# KiCad board OpenMowerMainboard.kicad_pcb (continued)
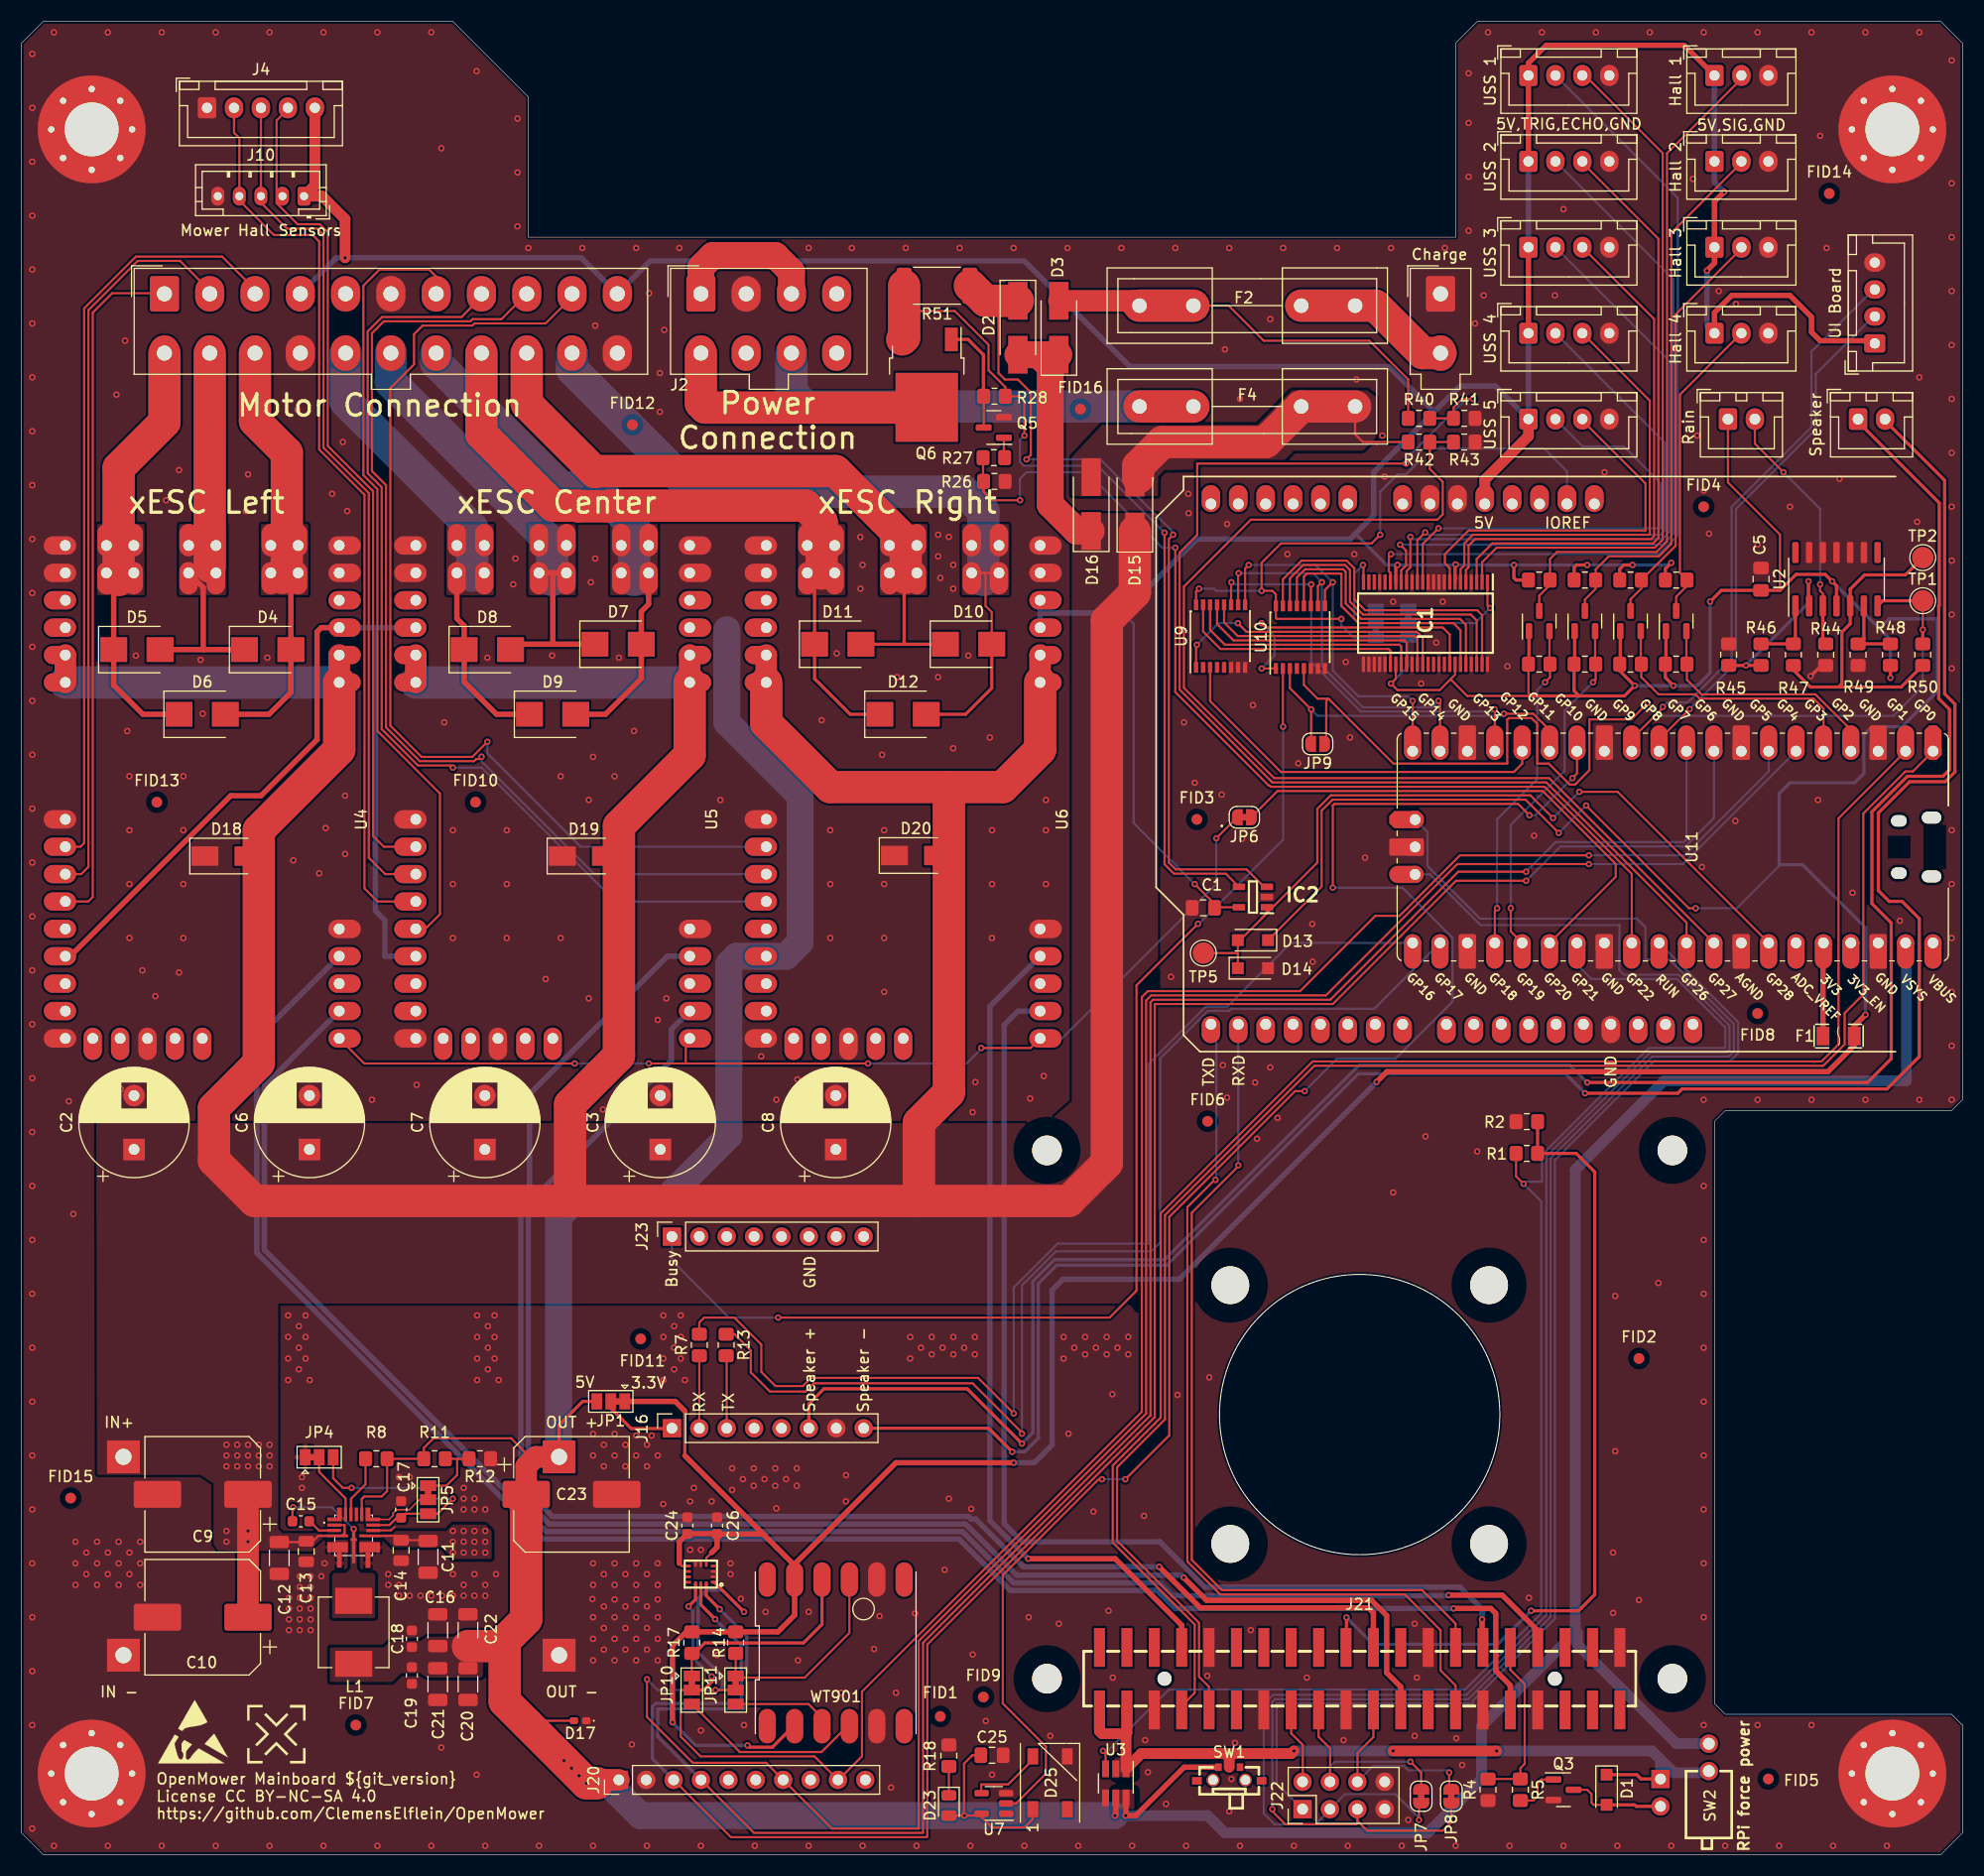
[diagram p0: board, top side]
## Library data of the parts (continued)
R49 = -: Digikey: 311-4.70KCRCT-ND; LCSC: C60816; Part Number: RC0805FR-074K7L; Stock_PN: R-805-4.7K-.125W-1%; ki_fp_filters: R_*
R51 = -: Digikey: RHM.003AUCT-ND; LCSC: C509733; Part Number: PMR100HZPFV3L00; Stock_PN: R-2512-.003-2W-1%; ki_fp_filters: R_*
SW1 = -: Datasheet: https://lcsc.com/product-detail/Toggle-Switches_G-Switch-MK-11C04-G013_C778185.html; JLC Part: Extended Part; LCSC: C778185; LCSC Part: C778185; Manufacturer: G-Switch
SW2 = -: Datasheet: https://lcsc.com/product-detail/DIP-Switches_blue1PINswitch_C129030.html; JLC Part: Extended Part; LCSC Part: C129030; Manufacturer: 韩国韩荣
TP1 TP2 TP5 = -: Config: do not place; DNP: Y; ki_fp_filters: Pin* Test*
U1 = -: Config: bench_test; DNP: Y; Digikey: LM2596SX-5.0/NOPBCT-ND; Part Number: LM2596SX-5.0/NOPB; Stock_PN: U-LM2596SX-5.0
U2 = -: Datasheet: http://ww1.microchip.com/downloads/en/DeviceDoc/21314g.pdf; Digikey: MCP604T-E/SLCT-ND; Part Number: MCP604T-E/SL; Stock_PN: U-MCP604T-E/SL; ki_fp_filters: SOIC*3.9x8.7mm*P1.27mm* DIP*W7.62mm* TSSOP*4.4x5mm*P0.65mm* SSOP*5.3x6.2mm*P0.65mm* MSOP*3x3mm*P0.5mm*
U3 = -: Digikey: SIP32509DT-T1-GE3CT-ND; LCSC: C335619; Part Number: SIP32509DT-T1-GE3; Stock_PN: U-SIP32509
U4-U6 XA1 = -: Config: do not place; DNP: Y
U7 = -: Datasheet: https://www.ti.com/lit/ds/symlink/sn74lv1t34.pdf; Digikey: 296-SN74LV1T34DBVRG4CT-ND; LCSC: C1848228; Part Number: SN74LV1T34DBVRG4; Stock_PN: U-SN74LV1T34; ki_fp_filters: SOT?23*
U9 U10 = -: Datasheet: http://www.ti.com/lit/ds/symlink/cd74hc4051.pdf; Digikey: 1727-3064-1-ND; LCSC: C5645; Part Number: 74HC4051PW,118; Stock_PN: U-74HC4051; ki_fp_filters: DIP*W7.62mm* SOIC*3.9x9.9mm*P1.27mm* SOIC*5.3x10.2mm*P1.27mm* TSSOP*4.4x5mm*P0.65mm*
U11 = -: Datasheet: https://datasheets.raspberrypi.com/picow/pico-w-datasheet.pdf; Digikey: 2648-SC0915CT-ND; Part Number: SC0915; Stock_PN: U-RP2040-PCB; ki_fp_filters: Raspberry*Pico* RPi*Pico*
WT901 = -: Config: do not place; ki_fp_filters: Connector*:*_2x??_*

## Footprints (pads in the part's own frame, mm; a bottom-side part is the same pattern mirrored in y, then rotated)
Arduino_Uno_Shield
  oval 1.727x2.5 hole 1.016: (27.94,2.54) 3V3(35.56,2.54) 5V1(38.1,2.54) A0(50.8,2.54) A1(53.34,2.54) A2(55.88,2.54) A3(58.42,2.54) A4(60.96,2.54) A5(63.5,2.54) AREF(23.876,50.8) D0(63.5,50.8) D1(60.96,50.8) D2(58.42,50.8) D3(55.88,50.8) D4(53.34,50.8) D5(50.8,50.8) D6(48.26,50.8) D7(45.72,50.8) D8(41.656,50.8) D9(39.116,50.8) D10(36.576,50.8) D11(34.036,50.8) D12(31.496,50.8) D13(28.956,50.8) GND1(26.416,50.8) GND2(40.64,2.54) GND3(43.18,2.54) IORF(30.48,2.54) RST1(33.02,2.54) SCL(18.796,50.8) SDA(21.336,50.8) VIN(45.72,2.54)
C_0603_1608Metric
  rrect 0.9x0.95 smd: 1(-0.775,0) 2(0.775,0)
C_0805_2012Metric
  rrect 1x1.45 smd: 1(-0.95,0) 2(0.95,0)
C_0805_2012Metric_Pad1.18x1.45mm_HandSolder
  rrect 1.175x1.45 smd: 1(-1.038,0) 2(1.038,0)
C_1206_3216Metric
  rrect 1.15x1.8 smd: 1(-1.475,0) 2(1.475,0)
CP_Elec_10x12.5
  rrect 4.4x2.5 smd: 1(-4.2,0) 2(4.2,0)
CP_Radial_D10.0mm_P5.00mm
  rect 2x2 hole 1: 1(0,0)
  round 2 hole 1: 2(5,0)
D_0402_1005Metric_Pad0.77x0.64mm_HandSolder
  rrect 0.765x0.64 smd: 1(-0.573,0) 2(0.573,0)
D_SMA
  rect 2.5x1.8 smd: 1(-2,0) 2(2,0)
D_SMA_Handsoldering
  rect 3.5x1.8 smd: 1(-2.5,0) 2(2.5,0)
D_SMB
  rect 2.5x2.3 smd: 1(-2.15,0) 2(2.15,0)
D_SOD-123F
  rect 1.1x1.1 smd: 1(-1.4,0) 2(1.4,0)
F1206
  rect 1.19x1.73 smd: 1(-1.45,0) 2(1.45,0)
Fiducial_1mm_Mask2mm
  round 1 smd: (0,0)
Fuseholder5x20_horiz_open_inline_Type-I
  round 2.35 hole 1.35: 1(0,0) 1(5,0) 2(15,0) 2(20,0)
HDR-SMD_40P-P2.54-V-F-R2-C20-S8.8-EH
  round 1.3 hole 1.3 unplated: (-18.1,0) (18.1,0)
  rect 1.02x3.6 smd: 1(-24.13,2.9) 2(-24.13,-2.9) 3(-21.59,2.9) 4(-21.59,-2.9) 5(-19.05,2.9) 6(-19.05,-2.9) 7(-16.51,2.9) 8(-16.51,-2.9) 9(-13.97,2.9) 10(-13.97,-2.9) 11(-11.43,2.9) 12(-11.43,-2.9) 13(-8.89,2.9) 14(-8.89,-2.9) 15(-6.35,2.9) 16(-6.35,-2.9) 17(-3.81,2.9) 18(-3.81,-2.9) 19(-1.27,2.9) 20(-1.27,-2.9) 21(1.27,2.9) 22(1.27,-2.9) 23(3.81,2.9) 24(3.81,-2.9) 25(6.35,2.9) 26(6.35,-2.9) 27(8.89,2.9) 28(8.89,-2.9) 29(11.43,2.9) 30(11.43,-2.9) 31(13.97,2.9) 32(13.97,-2.9) 33(16.51,2.9) 34(16.51,-2.9) 35(19.05,2.9) 36(19.05,-2.9) 37(21.59,2.9) 38(21.59,-2.9) 39(24.13,2.9) 40(24.13,-2.9)
JST_PH_B5B-PH-K_1x05_P2.00mm_Vertical
  rrect 1.2x1.75 hole 0.75: 1(0,0)
  oval 1.2x1.75 hole 0.75: 2(2,0) 3(4,0) 4(6,0) 5(8,0)
JST_XH_B2B-XH-A_1x02_P2.50mm_Vertical
  rrect 1.7x2 hole 1: 1(0,0)
  oval 1.7x2 hole 1: 2(2.5,0)
JST_XH_B3B-XH-A_1x03_P2.50mm_Vertical
  rrect 1.7x1.95 hole 0.95: 1(0,0)
  oval 1.7x1.95 hole 0.95: 2(2.5,0) 3(5,0)
JST_XH_B4B-XH-A_1x04_P2.50mm_Vertical
  rrect 1.7x1.95 hole 0.95: 1(0,0)
  oval 1.7x1.95 hole 0.95: 2(2.5,0) 3(5,0) 4(7.5,0)
JST_XH_B5B-XH-A_1x05_P2.50mm_Vertical
  rrect 1.7x1.95 hole 0.95: 1(0,0)
  oval 1.7x1.95 hole 0.95: 2(2.5,0) 3(5,0) 4(7.5,0) 5(10,0)
L_Vishay_IHLP-2525
  rect 2.413x3.429 smd: 1(-2.921,0) 2(2.921,0)
LED_0805_2012Metric
  rrect 0.975x1.4 smd: 1(-0.938,0) 2(0.938,0)
LED_WS2812B_PLCC4_5.0x5.0mm_P3.2mm
  rect 1.5x1 smd: 1(-2.45,1.6) 2(-2.45,-1.6) 3(2.45,-1.6) 4(2.45,1.6)
LGA-14_2.5X3X0.86_
  rect 0.475x0.25 smd: 1(-1.163,0.75) 2(-1.163,0.25) 3(-1.163,-0.25) 4(-1.163,-0.75) 8(1.163,-0.75) 9(1.163,-0.25) 10(1.163,0.25) 11(1.163,0.75)
  rect 0.25x0.475 smd: 5(-0.5,-0.912) 6(0,-0.912) 7(0.5,-0.912) 12(0.5,0.912) 13(0,0.912) 14(-0.5,0.912)
LM2596S_MODULE
  rect 3.048x3.048 hole 1.5: 1(1.4,1.4) 2(1.4,19.8) 3(41.8,19.8) 4(41.8,1.4)
MAX2040
  rect 0.412x0.3 smd: 1(-2.244,0.95) 2(-2.244,0.45) 10(2.244,0.45) 11(2.244,0.95)
  rect 0.875x0.3 smd: 1(-1.612,0.95) 2(-1.612,0.45) 10(1.612,0.45) 11(1.612,0.95)
  rect 0.401x0.25 smd: 3(-2.25,-0.05) 9(2.25,-0.05)
  rect 1.525x0.25 smd: 3(-1.287,-0.05) 9(1.287,-0.05)
  rect 0.401x0.95 smd: 4(-2.25,-1.1) 8(2.25,-1.1)
  rect 1.525x0.95 smd: 4(-1.287,-1.1) 8(1.287,-1.1)
  rect 0.45x0.6 smd: 5(-1.325,-1.875) 7(1.325,-1.875)
  rect 0.45x0.825 smd: 5(-1.325,-2.587)
  rect 0.3x1.65 smd: 6(0,-1.35)
  rect 0.3x0.425 smd: 6(0,-2.388)
  rect 0.45x0.85 smd: 7(1.325,-2.6)
  rect 0.45x0.412 smd: 12(1.325,2.369) 17(-1.325,2.369)
  rect 0.45x0.875 smd: 12(1.325,1.737) 17(-1.325,1.737)
  rect 0.3x0.412 smd: 13(0.75,2.369) 14(0.25,2.369) 15(-0.25,2.369) 16(-0.75,2.369)
  rect 0.3x0.875 smd: 13(0.75,1.737) 14(0.25,1.737) 15(-0.25,1.737) 16(-0.75,1.737)
  rect 0.4x0.35 smd: 18(-2.25,1.475) 20(2.25,1.475)
  rect 0.5x0.35 smd: 18(-1.8,1.475) 20(1.8,1.475)
  rect 0.6x0.25 smd: 19(0,-0.4)
Molex_Mini-Fit_Jr_5566-02A_2x01_P4.20mm_Vertical
  rrect 2.7x3.3 hole 1.4: 1(0,0)
  oval 2.7x3.3 hole 1.4: 2(0,-5.5)
Molex_Mini-Fit_Jr_5566-08A_2x04_P4.20mm_Vertical
  rrect 2.7x3.3 hole 1.4: 1(0,0)
  oval 2.7x3.3 hole 1.4: 2(4.2,0) 3(8.4,0) 4(12.6,0) 5(0,-5.5) 6(4.2,-5.5) 7(8.4,-5.5) 8(12.6,-5.5)
Molex_Mini-Fit_Jr_5566-22A_2x11_P4.20mm_Vertical
  rrect 2.7x3.3 hole 1.4: 1(0,0)
  oval 2.7x3.3 hole 1.4: 2(4.2,0) 3(8.4,0) 4(12.6,0) 5(16.8,0) 6(21,0) 7(25.2,0) 8(29.4,0) 9(33.6,0) 10(37.8,0) 11(42,0) 12(0,-5.5) 13(4.2,-5.5) 14(8.4,-5.5) 15(12.6,-5.5) 16(16.8,-5.5) 17(21,-5.5) 18(25.2,-5.5) 19(29.4,-5.5) 20(33.6,-5.5) 21(37.8,-5.5) 22(42,-5.5)
MountingHole_2.7mm_M2.5
  round 3.5 hole 3.5 unplated: (0,0)
MountingHole_2.7mm_M2.5#2
  round 2.75 hole 2.75 unplated: (0,0)
MountingHole_5mm_Pad_Via
  round 0.9 hole 0.6: 1(-3.75,0) 1(-2.652,2.652) 1(-2.652,-2.652) 1(0,3.75) 1(0,-3.75) 1(2.652,2.652) 1(2.652,-2.652) 1(3.75,0)
  round 10 hole 5: 1(0,0)
PinHeader_1x02_P2.54mm_Vertical
  rect 1.7x1.7 hole 1: 1(0,0)
  oval 1.7x1.7 hole 1: 2(0,-2.54)
PinHeader_1x10_P2.54mm_Vertical
  rect 1.7x1.7 hole 1: 1(0,0)
  oval 1.7x1.7 hole 1: 2(0,-2.54) 3(0,-5.08) 4(0,-7.62) 5(0,-10.16) 6(0,-12.7) 7(0,-15.24) 8(0,-17.78) 9(0,-20.32) 10(0,-22.86)
PinHeader_2x04_P2.54mm_Vertical
  rect 1.7x1.7 hole 1: 1(0,0)
  oval 1.7x1.7 hole 1: 2(2.54,0) 3(0,-2.54) 4(2.54,-2.54) 5(0,-5.08) 6(2.54,-5.08) 7(0,-7.62) 8(2.54,-7.62)
PinSocket_1x08_P2.54mm_Vertical
  rect 1.7x1.7 hole 1: 1(0,0)
  oval 1.7x1.7 hole 1: 2(0,-2.54) 3(0,-5.08) 4(0,-7.62) 5(0,-10.16) 6(0,-12.7) 7(0,-15.24) 8(0,-17.78)
R_0805_2012Metric_Pad1.20x1.40mm_HandSolder
  rrect 1.2x1.4 smd: 1(-1,0) 2(1,0)
R_2512_6332Metric_Pad1.40x3.35mm_HandSolder
  rrect 1.4x3.35 smd: 1(-3.05,0) 2(3.05,0)
Raspberry_Pi_Pico_SMT_THT
  oval 1.1x1.8 hole 1.1x1.8 unplated: (6.165,-0.13) (11.615,-0.13)
  oval 1.05x1.45 hole 1.05x1.45 unplated: (6.465,-3.16) (11.315,-3.16)
  custom 3.2x1.6 smd: 1(-1.6,0)
  custom 1.6x1.6 hole 1: 1(0,0) 41(6.35,-48.03)
  oval 3.2x1.6 smd: 2(-1.6,-2.54) 4(-1.6,-7.62) 5(-1.6,-10.16) 6(-1.6,-12.7) 7(-1.6,-15.24) 9(-1.6,-20.32) 10(-1.6,-22.86) 11(-1.6,-25.4) 12(-1.6,-27.94) 14(-1.6,-33.02) 15(-1.6,-35.56) 16(-1.6,-38.1) 17(-1.6,-40.64) 19(-1.6,-45.72) 20(-1.6,-48.26) 21(19.38,-48.26) 22(19.38,-45.72) 24(19.38,-40.64) 25(19.38,-38.1) 26(19.38,-35.56) 27(19.38,-33.02) 29(19.38,-27.94) 30(19.38,-25.4) 31(19.38,-22.86) 32(19.38,-20.32) 34(19.38,-15.24) 35(19.38,-12.7) 36(19.38,-10.16) 37(19.38,-7.62) 39(19.38,-2.54) 40(19.38,0)
  round 1.6 hole 1: 2(0,-2.54) 4(0,-7.62) 5(0,-10.16) 6(0,-12.7) 7(0,-15.24) 9(0,-20.32) 10(0,-22.86) 11(0,-25.4) 12(0,-27.94) 14(0,-33.02) 15(0,-35.56) 16(0,-38.1) 17(0,-40.64) 19(0,-45.72) 20(0,-48.26) 21(17.78,-48.26) 22(17.78,-45.72) 24(17.78,-40.64) 25(17.78,-38.1) 26(17.78,-35.56) 27(17.78,-33.02) 29(17.78,-27.94) 30(17.78,-25.4) 31(17.78,-22.86) 32(17.78,-20.32) 34(17.78,-15.24) 35(17.78,-12.7) 36(17.78,-10.16) 37(17.78,-7.62) 39(17.78,-2.54) 40(17.78,0) 43(11.43,-48.03)
  rrect 3.2x1.6 smd: 3(-1.6,-5.08) 8(-1.6,-17.78) 13(-1.6,-30.48) 18(-1.6,-43.18) 23(19.38,-43.18) 28(19.38,-30.48) 33(19.38,-17.78) 38(19.38,-5.08)
  rrect 1.6x1.6 hole 1: 3(0,-5.08) 8(0,-17.78) 13(0,-30.48) 18(0,-43.18) 23(17.78,-43.18) 28(17.78,-30.48) 33(17.78,-17.78) 38(17.78,-5.08) 42(8.89,-48.03)
  custom 1.6x3.2 smd: 41(6.35,-49.63)
  rrect 1.6x3.2 smd: 42(8.89,-49.63)
  oval 1.6x3.2 smd: 43(11.43,-49.63)
SOIC-14_3.9x8.7mm_P1.27mm
  rrect 1.95x0.6 smd: 1(-2.475,3.81) 2(-2.475,2.54) 3(-2.475,1.27) 4(-2.475,0) 5(-2.475,-1.27) 6(-2.475,-2.54) 7(-2.475,-3.81) 8(2.475,-3.81) 9(2.475,-2.54) 10(2.475,-1.27) 11(2.475,0) 12(2.475,1.27) 13(2.475,2.54) 14(2.475,3.81)
SolderJumper-2_P1.3mm_Bridged_RoundedPad1.0x1.5mm
  custom 1x1.5 smd: 1(-0.65,0) 2(0.65,0)
SolderJumper-2_P1.3mm_Open_RoundedPad1.0x1.5mm
  custom 1x1.5 smd: 1(-0.65,0) 2(0.65,0)
SolderJumper-3_P1.3mm_Bridged12_Pad1.0x1.5mm
  rect 1x1.5 smd: 1(-1.3,0) 2(0,0) 3(1.3,0)
SOP50P810X120-48N
  rect 1.425x0.3 smd: 1(-3.812,5.75) 2(-3.812,5.25) 3(-3.812,4.75) 4(-3.812,4.25) 5(-3.812,3.75) 6(-3.812,3.25) 7(-3.812,2.75) 8(-3.812,2.25) 9(-3.812,1.75) 10(-3.812,1.25) 11(-3.812,0.75) 12(-3.812,0.25) 13(-3.812,-0.25) 14(-3.812,-0.75) 15(-3.812,-1.25) 16(-3.812,-1.75) 17(-3.812,-2.25) 18(-3.812,-2.75) 19(-3.812,-3.25) 20(-3.812,-3.75) 21(-3.812,-4.25) 22(-3.812,-4.75) 23(-3.812,-5.25) 24(-3.812,-5.75) 25(3.812,-5.75) 26(3.812,-5.25) 27(3.812,-4.75) 28(3.812,-4.25) 29(3.812,-3.75) 30(3.812,-3.25) 31(3.812,-2.75) 32(3.812,-2.25) 33(3.812,-1.75) 34(3.812,-1.25) 35(3.812,-0.75) 36(3.812,-0.25) 37(3.812,0.25) 38(3.812,0.75) 39(3.812,1.25) 40(3.812,1.75) 41(3.812,2.25) 42(3.812,2.75) 43(3.812,3.25) 44(3.812,3.75) 45(3.812,4.25) 46(3.812,4.75) 47(3.812,5.25) 48(3.812,5.75)
SOT95P280X145-5N
  rect 1.15x0.6 smd: 1(-1.3,0.95) 2(-1.3,0) 3(-1.3,-0.95) 4(1.3,-0.95) 5(1.3,0.95)
SOT-23
  rrect 1.475x0.6 smd: 1(-0.938,0.95) 2(-0.938,-0.95) 3(0.938,0)
SOT-23-5
  rrect 1.325x0.6 smd: 1(-1.137,0.95) 2(-1.137,0) 3(-1.137,-0.95) 4(1.137,-0.95) 5(1.137,0.95)
SOT-23-6_Handsoldering
  rect 1.56x0.65 smd: 1(-1.35,0.95) 2(-1.35,0) 3(-1.35,-0.95) 4(1.35,-0.95) 5(1.35,0) 6(1.35,0.95)
SSOP-16_4.4x5.2mm_P0.65mm
  rect 1x0.4 smd: 1(-2.9,2.275) 2(-2.9,1.625) 3(-2.9,0.975) 4(-2.9,0.325) 5(-2.9,-0.325) 6(-2.9,-0.975) 7(-2.9,-1.625) 8(-2.9,-2.275) 9(2.9,-2.275) 10(2.9,-1.625) 11(2.9,-0.975) 12(2.9,-0.325) 13(2.9,0.325) 14(2.9,0.975) 15(2.9,1.625) 16(2.9,2.275)
SW-SMD_MK-11C04-G013
  round 1.2 hole 0.9: (-1.5,-0.56) (1.5,-0.56)
  rect 0.6x0.7 smd: 1(-1,0.63) 2(1,0.63) C(0,0.63)
  rect 0.9x0.7 smd: 4(3,-0.63) 5(-3,-0.63)
SW-TH_DA-01BP
  round 1.7 hole 1.1: 1(-1.27,0) 2(1.27,0)
TestPoint_Pad_D2.0mm
  round 2 smd: 1(0,0)
TO-252-2
  rect 3.05x2.75 smd: (0.425,1.525) (0.425,-1.525) (3.775,1.525) (3.775,-1.525)
  rect 2.2x1.2 smd: 1(-4.2,2.28) 3(-4.2,-2.28)
  rect 6.4x5.8 smd: 2(2.1,0)
WT901
  oval 1.6x3.2 smd: a1(-6.35,-6) a2(-3.81,-6) a3(-1.27,-6) a4(1.27,-6) a5(3.81,-6) a6(6.35,-6) b1(-6.35,6) b2(-3.81,6) b3(-1.27,6) b4(1.27,6) b5(3.81,6) b6(6.35,6)
xESC2
  oval 1.7x3 hole 1: 1(-17.775,27.94) 2(-15.235,27.94) 3(-10.155,27.94) 4(-7.615,27.94) 5(-5.075,27.94) 5V(-12.695,27.94) 5V(17.785,27.94) 5V(17.785,2.54) 5V(20.325,27.94) 5V(20.325,2.54) 6(-2.535,27.94) 11(-20.315,2.54) 12(-17.775,2.54) 13(-15.235,2.54) 14(-12.695,2.54) GND(-20.315,27.94) GND(-10.155,2.54) GND(0.005,27.94) GND(22.865,27.94) GND(22.865,2.54) GND(25.405,27.94) GND(25.405,2.54) VM(12.705,27.94) VM(12.705,2.54) VM(15.245,27.94) VM(15.245,2.54)
  oval 3x1.7 hole 1: 7(-20.315,25.4) 8(-20.315,22.86) 9(-20.315,17.78) 10(-20.315,15.24) GND(-20.315,20.32) U(22.865,8.89) U(22.865,6.35) U(25.405,8.89) U(25.405,6.35) V(22.865,16.51) V(22.865,13.97) V(25.405,16.51) V(25.405,13.97) W(22.865,24.13) W(22.865,21.59) W(25.405,24.13) W(25.405,21.59)

## Nets
+3V3: AC1201.5 AC1201.8 C5.2 C24.1 C26.1 D13.1 F1.2 IC1.31 IC1.42 J17.1 JP1.1 JP2.3 JP3.1 Q13.1 Q14.1 Q15.1 Q16.1 R3.1 R9.1 R14.2 R15.1 R17.2 R19.1 R48.2 U2.4 U9.16 U10.16 WT901.a2 WT901.b2 XA1.IORF
+5V: C1.1 C16.1 C18.1 C19.1 C20.1 C21.1 C22.1 C23.1 C25.1 D17.2 D23.2 D25.1 IC1.7 IC1.18 IC2.5 IC3.13 J1.4 J1.11 J4.5 J5.1 J6.1 J7.1 J8.1 J9.1 J10.1 J11.1 J12.1 J13.1 J14.1 J19.1 J20.1 JP1.3 L1.2 R6.1 R8.2 R10.1 R11.2 R16.1 R20.1 SW1.1 SW2.2 U1.3 U3.5 U3.6 U4.5V U5.5V U6.5V U7.5 U11.39 XA1.5V1
GND: AC1201.2 AC1201.3 AC1201.6 AC1201.7 C1.2 C2.2 C3.2 C5.1 C6.2 C7.2 C8.2 C9.2 C10.2 C11.2 C12.2 C13.2 C14.2 C16.2 C17.2 C18.2 C19.2 C20.2 C21.2 C22.2 C23.2 C24.2 C25.2 C26.2 D14.2 D17.1 D18.1 D19.1 D20.1 D25.3 H1.1 H2.1 H3.1 H4.1 IC1.4 IC1.9 IC1.10 IC1.11 IC1.12 IC1.15 IC1.21 IC1.25 IC1.26 IC1.27 IC1.28 IC1.29 IC1.34 IC1.39 IC1.45 IC1.48 IC2.2 IC3.4 IC3.5 IC3.7 IC3.8 IC3.10 J1.6 J1.15 J1.22 J2.2 J3.1 J4.1 J5.4 J6.4 J7.4 J8.4 J9.4 J10.5 J11.3 J12.3 J13.3 J14.3 J16.7 J19.4 J20.2 J21.6 J21.9 J21.14 J21.20 J21.25 J21.30 J21.34 J21.39 J22.7 J22.8 J23.6 JP2.1 JP3.3 JP4.1 Q3.2 Q5.2 R2.1 R4.1 R12.1 R18.1 R26.2 R41.1 R43.1 R44.1 R45.1 R49.2 U1.1 U1.4 U2.9 U2.10 U2.11 U2.12 U2.13 U3.4 U4.GND U5.GND U6.GND U7.3 U9.6 U9.7 U9.8 U10.6 U10.7 U10.8 U11.3 U11.8 U11.13 U11.18 U11.23 U11.28 U11.33 U11.38 U11.42 WT901.a5 WT901.b5 XA1.GND1 XA1.GND2 XA1.GND3
/CHARGE_CURRENT: D13.2 D14.1 IC2.1 TP5.1 U11.34
/ESCs/ESC_SHUTDOWN: JP6.1 U11.26
/ESCs/MC_HALL_U: J4.2 J10.4 U5.4
/ESCs/MC_HALL_V: J4.3 J10.3 U5.5
/ESCs/MC_HALL_W: J4.4 J10.2 U5.6
/ESCs/MC_PHASE_U: D7.2 D9.2 J1.18 U5.U
/ESCs/MC_PHASE_V: D7.1 D8.2 J1.17 U5.V
/ESCs/MC_PHASE_W: D8.1 D9.1 J1.16 U5.W
/ESCs/MC_RX: J21.24 U5.14
/ESCs/MC_TEMP: J1.7 U5.3
/ESCs/MC_TX: J21.21 U5.12
/ESCs/ML_HALL_U: J1.1 U4.4
/ESCs/ML_HALL_V: J1.2 U4.5
/ESCs/ML_HALL_W: J1.3 U4.6
/ESCs/ML_PHASE_U: D4.2 D6.2 J1.14 U4.U
/ESCs/ML_PHASE_V: D4.1 D5.2 J1.13 U4.V
/ESCs/ML_PHASE_W: D5.1 D6.1 J1.12 U4.W
/ESCs/ML_RX: J21.32 U4.14
/ESCs/ML_TX: J21.33 U4.12
/ESCs/MR_HALL_U: J1.8 U6.4
/ESCs/MR_HALL_V: J1.9 U6.5
/ESCs/MR_HALL_W: J1.10 U6.6
/ESCs/MR_PHASE_U: D10.2 D12.2 J1.21 U6.U
/ESCs/MR_PHASE_V: D10.1 D11.2 J1.20 U6.V
/ESCs/MR_PHASE_W: D11.1 D12.1 J1.19 U6.W
/ESCs/MR_RX: J21.7 U6.14
/ESCs/MR_TX: J21.29 U6.12
/GPS/RXD: J21.27 XA1.D1
/GPS/TXD: J21.28 XA1.D0
/IMU/MISO: AC1201.1 J20.7 JP11.2 U11.6
/IMU/MOSI: AC1201.14 J20.4 U11.10
/IMU/SCK: AC1201.13 J20.3 U11.9
/IMU/~{CS}: AC1201.12 J20.9 JP10.2 U11.7
/pico/MUX_ADDRESS_0: U9.11 U10.11 U11.17
/pico/MUX_ADDRESS_1: U9.10 U10.10 U11.19
/pico/MUX_ADDRESS_2: U9.9 U10.9 U11.20
/pico/MUX_INPUT: JP9.2 U10.3 U11.15
/pico/MUX_OUTPUT: U9.3 U11.16
/pico/SOUND_BUSY: J23.1 U10.2
/pico/SOUND_RX: R13.1 U11.22
/pico/SOUND_TX: R7.2 U11.21
/pico/V_CHARGE: R40.1 R41.2 U11.31
/pico/V_IN: R42.1 R43.2 U11.32
/RAIN_DETECTED: JP9.1 R50.2 TP1.1 U2.7 U10.5
/RaspberryPi/PICO_RESET: J22.1 U11.30
/RaspberryPi/PICO_SWCLK: J22.5 JP8.1 U11.41
/RaspberryPi/PICO_SWDIO: J22.3 JP7.1 U11.43
/RaspberryPi/POWER_EN: R1.1 U3.3 U11.27
/RaspberryPi/RASPI_FAN_ON: J21.31 R4.2 R5.1
/RaspberryPi/RASPI_POWER: D1.1 J21.2 J21.4 M1.1 SW1.C SW2.1 U3.1 U3.2
/RaspberryPi/UART0_RXD: J21.10 U11.1
/RaspberryPi/UART0_TXD: J21.8 U11.2
/RobotConnectors/CHARGE_SHUNT_MINUS: IC2.4 Q6.3 R28.1 R51.2
/RobotConnectors/CHARGE_SHUNT_PLUS: D2.1 IC2.3 R51.1
/RobotConnectors/ENABLE_CHARGE: R26.1 R27.1 U11.29
/RobotConnectors/HALL_SWITCH_1: Q13.2 R3.2 U11.24
/RobotConnectors/HALL_SWITCH_1_5V: J11.2 Q13.3 R6.2
/RobotConnectors/HALL_SWITCH_2: Q14.2 R9.2 U11.25
/RobotConnectors/HALL_SWITCH_2_5V: J12.2 Q14.3 R10.2
/RobotConnectors/HALL_SWITCH_3: Q15.2 R15.2 U11.5
/RobotConnectors/HALL_SWITCH_3_5V: J13.2 Q15.3 R16.2
/RobotConnectors/HALL_SWITCH_4: Q16.2 R19.2 U11.4
/RobotConnectors/HALL_SWITCH_4_5V: J14.2 Q16.3 R20.2
/RobotConnectors/LED_RX: J19.2 U11.11
/RobotConnectors/LED_TX: J19.3 U11.12
/RobotConnectors/MosfetSwitch/VOUT: J2.5 Q6.2
/RobotConnectors/RAIN-: J17.2 R44.2 U2.3
/RobotConnectors/SPEAKER_MINUS: J16.8 J18.2
/RobotConnectors/SPEAKER_PLUS: J16.6 J18.1
/RobotConnectors/USS_1_ECHO: IC1.47 U10.15
/RobotConnectors/USS_1_ECHO_5V: IC1.2 J5.3
/RobotConnectors/USS_1_TRIGGER: IC1.30 U9.15
/RobotConnectors/USS_1_TRIGGER_5V: IC1.19 J5.2
/RobotConnectors/USS_2_ECHO: IC1.46 U10.14
/RobotConnectors/USS_2_ECHO_5V: IC1.3 J6.3
/RobotConnectors/USS_2_TRIGGER: IC1.32 U9.14
/RobotConnectors/USS_2_TRIGGER_5V: IC1.17 J6.2
/RobotConnectors/USS_3_ECHO: IC1.44 U10.13
/RobotConnectors/USS_3_ECHO_5V: IC1.5 J7.3
/RobotConnectors/USS_3_TRIGGER: IC1.33 U9.13
/RobotConnectors/USS_3_TRIGGER_5V: IC1.16 J7.2
/RobotConnectors/USS_4_ECHO: IC1.43 U10.12
/RobotConnectors/USS_4_ECHO_5V: IC1.6 J8.3
/RobotConnectors/USS_4_TRIGGER: IC1.35 U9.12
/RobotConnectors/USS_4_TRIGGER_5V: IC1.14 J8.2
/RobotConnectors/USS_5_ECHO: IC1.41 U10.1
/RobotConnectors/USS_5_ECHO_5V: IC1.8 J9.3
/RobotConnectors/USS_5_TRIGGER: IC1.36 U9.1
/RobotConnectors/USS_5_TRIGGER_5V: IC1.13 J9.2
/RobotConnectors/V_BATTERY: D15.2 D16.2 F4.2 R42.2
/RobotConnectors/V_CHARGE: D3.2 F2.1 R40.2
V_BATT: C2.1 C3.1 C6.1 C7.1 C8.1 C9.1 C10.1 C11.1 C12.1 C13.1 C14.1 D2.2 D3.1 D15.1 D16.1 D18.2 D19.2 D20.2 IC3.1 IC3.3 IC3.9 U1.2 U4.VM U5.VM U6.VM
Net-(D1-A): D1.2 M1.2 Q3.3
Net-(D23-K): D23.1 R18.2
Net-(D25-DIN): D25.4 U7.4
Net-(IC1-1DIR): IC1.1 JP2.2
Net-(IC1-2DIR): IC1.24 JP3.2
Net-(IC3-BIAS): C17.1 IC3.11 JP4.3 JP5.3
Net-(IC3-BST): C15.1 IC3.2
Net-(IC3-FB_1): IC3.12 IC3.20 JP5.2
Net-(IC3-LX_1): C15.2 IC3.6 IC3.19 L1.1
Net-(IC3-PGOOD): IC3.15 R8.1
Net-(IC3-SYNC): IC3.16 JP4.2
Net-(IC3-SYNCOUT_1): IC3.17 IC3.18
Net-(J2-Pin_1): J2.1 J2.3
Net-(J2-Pin_7): F4.1 J2.7
Net-(J3-Pin_2): F2.2 J3.2
Net-(J16-Pin_1): J16.1 JP1.2
Net-(J16-Pin_2): J16.2 R7.1
Net-(J16-Pin_3): J16.3 R13.2
Net-(J21-GPIO23): J21.16 J22.2
Net-(J21-GPIO24): J21.18 J22.4 JP7.2
Net-(J21-GPIO25): J21.22 J22.6 JP8.2
Net-(J21-MOSI0/GPIO10): J21.19 R1.2 R2.2
Net-(JP5-A): JP5.1 R11.1 R12.2
Net-(JP6-B): JP6.2 U4.11 U5.11 U6.11
Net-(JP10-A): JP10.1 R17.1 WT901.b3
Net-(JP10-B): JP10.3 WT901.a4
Net-(JP11-A): JP11.1 R14.1 WT901.b4
Net-(JP11-B): JP11.3 WT901.a3
Net-(Q3-G): Q3.1 R5.2
Net-(Q5-D): Q5.3 Q6.1 R28.2
Net-(Q5-G): Q5.1 R27.2
Net-(R46-Pad1): R46.1 R47.1 U2.1
Net-(U2A--): R45.2 R46.2 U2.2
Net-(U2B-+): R47.2 R50.1 TP2.1 U2.5
Net-(U2B--): R48.1 R49.1 U2.6
Net-(U11-3V3): F1.1 U11.36
Net-(U11-GPIO10): U7.2 U11.14

Pads without a net: AC1201 4 9 10 11; D25 2; IC1 20 22 23 37 38 40; IC3 14; J1 5; J2 4 6 8; J16 4 5; J20 5 6 8 10; J21 1 3 5 11 12 13 15 17 23 26 35 36 37 38 40; J23 2 3 4 5 7 8; SW1 2 4 5; U2 8 14; U4 1 2 3 7 8 9 10 13; U5 1 2 7 8 9 10 13; U6 1 2 3 7 8 9 10 13; U7 1; U9 2 4 5; U10 4; U11 35 37 40; WT901 a1 a6 b1 b6; XA1 3V3 A0 A1 A2 A3 A4 A5 AREF D2 D3 D4 D5 D6 D7 D8 D9 D10 D11 D12 D13 RST1 SCL SDA VIN

## Via types
v1: diameter 0.6, hole 0.3, Top to Bottom, 733 vias

## Routing (per net, layer and track width the routed paths; a pad name or vN(x,y) marks a point on that pad's centre or on a via; arc(x,y) is an arc through that point)
+3V3: length 529.4
  Top w0.2: v1(145.1,97.29) 154.62,87.77 v1(155.26,87.77) ; 132.52,109 131.52,108 127.6,108 v1(127,108.6) 127.45,109.05 IC1.31 ; 132.52,109 134.07,107.45 140.02,107.45 139.75,107.72 R3.1 ; 132.52,109 132.95,109.43 IC1.42 ; 61,27 61.25,26.75 AC1201.8 ; v1(122.4,114.6) 116.4,114.6 116.32,114.67 U10.16 116.32,116.88 116,117.2 v1(115,117.2) 115,119.8 116.8,121.6 125.2,121.6 v1(126,122.4) ; AC1201.5 63.5,27.5 64,28 ; J17.1 158.25,127.25 163.08,122.42 163.08,117.24 ; 108.93,115.9 108.93,117.12 v1(109.2,117.4) ; D13.1 120.57,89.77 120.57,96.82 121.58,97.83 139.48,97.83 v1(142.56,94.75)
  Top w0.3: R19.1 152.45,109.15 v1(153.2,108.4) ; R15.1 148.22,109.78 v1(149.6,108.4) 148.65,107.45 140.02,107.45 ; Q15.1 148.27,110.45 ; R9.1 143.98,107.93 144.47,107.45 ; 70.15,20.65 R14.2 R17.2 ; Q13.1 139.8,110.45 ; Q14.1 144.03,110.45 ; 61.51,41.12 61.51,36.98 70,28.5 ; R48.2 v1(173.32,109.13) ; 71.69,12.01 69.63,9.95 67.5,9.95 v1(67.33,10.12) ; Q16.1 152.5,110.45 ; U2.4 168.32,117.68 v1(167.92,118.08) 167.27,118.73 164.57,118.73 163.08,117.24 C5.2 157.64,117.24 v1(156.6,116.2)
  Top w0.5: v1(60.38,12.25) 60.36,12.26 60.36,19.36 61.65,20.65 R17.2 70.15,20.65 71.69,22.19 WT901.b2 ; 64.5,29.55 64.5,28.5 64,28 ; 61,27 61,29 61.75,29.75 64.3,29.75 ; 61.51,36.98 68.95,29.55 ; 68.95,29.55 71.69,26.81 ; 68.95,29.55 68.77,29.72 64.67,29.72 ; JP1.1 60.62,42.02 61.51,41.12 ; v1(171.01,77.88) 169.97,76.85 F1.2 169.97,75.04 167.53,72.6 126.62,72.6 v1(125.67,71.65) ; v1(92.01,36.33) 81.09,36.33 71.69,26.93 71.69,26.07
  Bottom w0.2: v1(109.2,117.4) 110.6,117.4 110.8,117.2 v1(115,117.2) ; v1(122.4,114.6) 122.4,114 123.5,112.9 JP3.1 JP2.3 128.6,110.2 v1(127,108.6) ; XA1.IORF 143.32,128.28 141.2,130.4 130,130.4 129.5,129.9 129.5,129.1 128.4,128 127.6,128 126,126.4 v1(126,122.4) ; 163,91.8 163,91.69 159.07,87.77 v1(155.26,87.77) ; v1(142.56,94.75) v1(145.1,97.29)
  Bottom w0.3: 172.3,113.7 v1(167.92,118.08) ; 172.3,113.7 173.32,112.68 v1(173.32,109.13) ; 172.3,113.7 173.2,114.6 177.6,114.6 177.6,107.8 174.4,104.6 171.6,104.6 170.85,103.85 170.85,100.25 170,99.4 164,99.4 163,98.4 163,91.8 165.17,91.8 171.01,85.96 v1(171.01,77.88) ; v1(60.38,12.25) 62.51,10.12 v1(67.33,10.12) ; v1(156.6,116.2) 156.6,109.6 155.4,108.4 v1(149.6,108.4)
  Bottom w0.5: v1(125.67,71.65) 107.37,53.35 96.59,53.35 95.57,52.33 95.57,37.98 93.92,36.33 v1(92.01,36.33)
+5V: length 887.6
  Top w0.2: 46.9,12.1 47.2,12.4 D17.2 ; 110.69,87.85 IC2.5 ; U7.5 89.03,3.47 90,2.5 93,2.5 93.78,3.28 93.78,4.19 ; 87.4,3.6 87.4,8.42 88.18,9.2 C25.1 ; 87.4,3.6 D23.2 ; 87.4,3.6 88.86,3.6 ; IC3.13 31.55,32.97 31.78,33.2 33.4,33.2 33.9,33.7 R8.2 R11.2 37.3,37.7 38.2,38.6 45.4,38.6 46.8,37.2 C23.1 ; 44.33,19.32 46.8,21.8 ; 110.64,88.16 v1(108.8,90) ; 86,3.6 v1(87.44,3.6)
  Top w0.3: IC1.7 132.95,119.59 v1(133,119.64) ; v1(145.2,119.6) 144.2,119.6 143.98,119.38 R10.1 ; R20.1 152.45,119.25 v1(153,119.8) ; v1(138.4,119.6) 138.4,118.4 138.6,118.2 R6.1 ; 51.98,41.97 49.85,39.84 49.85,37.35 ; IC1.18 127.45,119.45 v1(127.6,119.6) ; v1(149.4,119.6) 148.6,119.6 148.22,119.22 R16.1 ; JP1.3 52.05,42.02
  Top w0.5: 4.5,83.31 19.4,98.2 22.2,98.2 27.4,103.4 27.4,113.4 27.78,113.78 U4.5V ; SW1.1 107.82,8.09 103.33,3.6 v1(102.4,3.6) 102.43,3.63 U3.6 ; J14.1 157,143 158.6,144.6 164,144.6 166,142.6 166,141.2 166.8,140.4 171.62,140.4 ; v1(156.3,146.9) 157,147.6 J13.1 157,153.3 v1(157.9,154.2) ; J6.1 J5.1 139.75,166.15 141.4,167.8 154.2,167.8 J11.1 ; v1(101.4,3.6) 101.48,3.68 U3.5 ; J8.1 J7.1
  Top w1: XA1.5V1 135.7,127.5 139.75,131.55 J9.1 ; J4.5 27.2,154.81 J10.1 27.88,153.81 30,151.68 v1(30,148.09)
  Top w2: v1(52.4,6.6) 52.72,6.92 J20.1 ; C23.1 46.8,36 47.68,36.88 U1.3
  Top w3: v1(53.4,6.6) v1(52.4,6.6) 44.8,14.2 44.8,18.85 44.33,19.32 ; 44.33,19.32 46.8,21.8 46.8,33.4 C23.1 ; 44.33,19.32 41.4,19.32
  Bottom w0.2: v1(108.8,90) 103.14,95.66 103.14,114.14 102.14,115.14 ; 144.29,20.58 144.08,20.58
  Bottom w0.3: 123.7,122.5 126.6,119.6 v1(127.6,119.6) 132.96,119.6 v1(133,119.64) 133.04,119.6 v1(138.4,119.6) v1(145.2,119.6) v1(149.4,119.6) 152.8,119.6 v1(153,119.8)
  Bottom w0.5: J11.1 J12.1 157,155.1 v1(157.9,154.2) ; U6.5V 94.46,115.14 ; 94.46,115.14 102.14,115.14 109,122 123.2,122 125.4,124.2 125.4,128.2 131,133.8 126.8,138 102.8,138 93,147.8 58.3,147.8 J1.11 51.91,148.09 v1(30,148.09) 29.19,148.09 J1.4 ; 94.46,115.14 U6.5V ; J14.1 156.3,141.8 v1(156.3,146.9) ; 32.81,113.78 32.81,87.53 33.7,86.65 33.7,83.31 U5.5V ; 32.81,113.78 U4.5V ; 32.81,113.78 U5.5V ; 130.2,133 133.4,136.2 136.68,136.2 J9.1 J8.1 ; J6.1 J7.1
  Bottom w1: 144.29,20.58 144.29,19.46 153.48,10.27 SW2.2 ; 174.8,84.48 174.8,71.76 152.34,71.76 144.08,63.51 144.08,20.58 135.4,11.9 135.4,7 130.4,2 111.6,2 110,3.6 v1(102.4,3.6) v1(101.4,3.6)
  Bottom w2: J20.1 52.08,6.92 v1(51.7,7.3) v1(51,8) v1(50.3,8.7)
  Bottom w2.5: v1(101.4,3.6) 57.38,3.6 54.52,6.46 ; 65.41,113.59 65.41,104.99 72.2,98.2 72.2,84.6 70.91,83.31 U6.5V 66.31,83.31 65.6,82.6 65.6,66.66 59.6,60.66 51.32,60.66 49.8,59.14 49.8,36.93
GND: length 3.8
  Top w0.15: 34.61,30.39 34.27,30.05 IC3.10
  Top w0.3: 166.92,110.28 v1(165.92,109.28)
  vias: v1(0.99,167) v1(0.99,162) v1(0.99,157) v1(0.99,152) v1(0.99,147) v1(0.99,142) v1(0.99,137) v1(0.99,132) v1(0.99,127) v1(0.99,122) v1(0.99,117) v1(0.99,112) v1(0.99,107) v1(0.99,102) v1(0.99,97) v1(0.99,92) v1(0.99,87) v1(0.99,82) v1(0.99,77) v1(0.99,72) v1(0.99,67) v1(0.99,62) v1(0.99,57) v1(0.99,52) v1(0.99,47) v1(0.99,42) v1(0.99,37) v1(0.99,32) v1(0.99,27) v1(0.99,22) v1(0.99,17) v1(0.99,12) v1(0.98,2.4) v1(3,169) v1(3,0.8) v1(4.38,69.86) v1(4.8,59.4) v1(5,29) v1(5,27) v1(5,25) v1(6,28) v1(6,26) v1(7,29) v1(7,27) v1(7,25) v1(8,169) v1(8,28) v1(8,26) v1(8,0.8) v1(8.8,135.4) v1(9,29) v1(9,27) v1(9,25) v1(9.2,71) v1(9.6,140.4) v1(9.8,104.2) v1(10,100) v1(10,95) v1(10,90) v1(10,85) v1(10,28) v1(10,26) v1(10.6,111.2) v1(11,29) v1(11,27) v1(11,25) v1(11.2,82) v1(12.4,79.6) v1(13,169) v1(13,0.8) v1(13.4,125.6) v1(14.2,70.8) v1(14.6,128.4) v1(14.6,81.8) v1(15,100) v1(15,95) v1(15,90) v1(15,85) v1(16.6,110.8) v1(16.8,105.8) v1(18,169) v1(18,0.8) v1(20.8,124.6) v1(21,128) v1(22.8,111) v1(23,169) v1(23,0.8) v1(24.72,50) v1(24.72,48) v1(24.72,46) v1(24.72,44) v1(24.8,23.8) v1(24.8,22.8) v1(24.8,21.8) v1(24.8,20.8) v1(24.95,68.8) v1(25.2,92.2) v1(25.6,134) v1(25.72,49) v1(25.72,47) v1(25.72,45) v1(25.8,25.8) v1(25.8,24.8) v1(25.8,23.8) v1(25.8,22.8) v1(25.8,21.8) v1(25.8,20.8) v1(26,35) v1(26,34) v1(26.34,50) v1(26.34,48) v1(26.34,46) v1(26.72,44) v1(26.8,25.8) v1(26.8,24.8) v1(26.8,23.8) v1(26.8,22.8) v1(26.8,21.8) v1(26.8,20.8) v1(27.6,91) v1(27.8,25.8) v1(28,169) v1(28,0.8) v1(28.1,27) v1(28.2,95.2) v1(28.8,126.2) v1(29.8,131) v1(30,98.2) v1(30,92.8) v1(30,70) v1(30.2,124.6) v1(32.5,70) v1(33,169) v1(33,0.8) v1(34,26) v1(34,25) v1(35,35) v1(35,25) v1(35,24) v1(36,35) v1(36,24) v1(36.64,71.38) v1(37,24) v1(38,169) v1(38,24) v1(38,0.8) v1(38.93,158.25) v1(38.93,9.91) v1(39,24) v1(39.2,105) v1(39.69,68.84) v1(40,95) v1(40,90) v1(40,85) v1(40,26) v1(40,24) v1(41,34) v1(41,33) v1(41,32) v1(41,25) v1(41,24) v1(42,33) v1(42,32) v1(42,26) v1(42,24) v1(42.2,165.4) v1(42.25,50) v1(42.25,48) v1(42.25,46) v1(42.25,44) v1(42.2,7.4) v1(43,32) v1(43,25) v1(43,24) v1(43,0.8) v1(43.2,111) v1(43.25,49) v1(43.25,47) v1(43.25,45) v1(43.86,50) v1(43.86,48) v1(43.86,46) v1(44,26) v1(44.25,44) v1(45,95) v1(45,90) v1(45,85) v1(45.6,117.8) v1(45.8,120.2) v1(45.99,161) v1(45.99,156) v1(45.99,151) v1(47,149) v1(48,0.8) v1(48.6,81.2) v1(49.2,111.2) v1(50,100) v1(50,85) v1(52,149) v1(52.6,97.8) v1(52.6,79.4) v1(52.8,118) v1(52.94,23.7) v1(53,101.8) v1(53,39) v1(53,37) v1(53,27) v1(53,25) v1(53,22) v1(53,20) v1(53,18) v1(53,0.8) v1(53.2,141.8) v1(53.2,120.2) v1(53.91,69.1) v1(54,38) v1(54,36) v1(54,26) v1(54,23) v1(54,21) v1(54,19) v1(55,100) v1(55,39) v1(55,37) v1(55,27) v1(55,25) v1(55,23.65) v1(55,22) v1(55,20) v1(55,18) v1(55.4,111) v1(56,38) v1(56,36) v1(56,26) v1(56,23) v1(56,21) v1(56,19) v1(56.6,10.2) v1(56.8,104.2) v1(57,149) v1(57,38.86) v1(57,37) v1(57,27) v1(57,25) v1(57,23.65) v1(57,22) v1(57,20) v1(57,18) v1(58,38) v1(58,36) v1(58,26) v1(58,23) v1(58,21) v1(58,19) v1(58,0.8) v1(58.2,144.8) v1(58.44,38.86) v1(59,77.4) v1(59,37) v1(59,27) v1(59,25) v1(59,23.65) v1(59,22) v1(59,20) v1(59,18) v1(59.2,137.4) v1(59.2,133.8) v1(59.25,68.59) v1(59.52,50) v1(59.52,48) v1(59.52,46) v1(59.52,44) v1(59.5,32.5) v1(59.6,141.4) v1(59.8,79.4) v1(60.52,49) v1(60.52,47) v1(60.52,45) v1(61,149) v1(61.14,50) v1(61.14,48) v1(61.14,46) v1(61.52,44) v1(62,32.75) v1(62,28.25) v1(62.35,34) v1(62.5,70) v1(63,28.25) v1(63,11.5) v1(63,0.8) v1(64,32.75) v1(64.5,18.5) v1(64.8,97.8) v1(65.75,27) v1(65.75,26) v1(65.9,35.81) v1(65.9,33.81) v1(66.71,23.71) v1(66.9,34.81) v1(67,12) v1(67.9,35.81) v1(67.9,34.2) v1(68,0.8) v1(68.6,74.02) v1(68.9,34.81) v1(69,22.5) v1(69.9,35.81) v1(69.9,34.2) v1(70,70) v1(70,32.1) v1(70.9,34.81) v1(71.95,71.89) v1(71.9,35.81) v1(71.9,34.2) v1(72,18) v1(73,149) v1(73,22.5) v1(73,0.8) v1(74.2,105.2) v1(75,95) v1(75,90) v1(75,85) v1(75.6,111.4) v1(76,15) v1(76.46,35.18) v1(76.45,32.75) v1(77,149) v1(77.79,122.19) v1(77.8,117.4) v1(78,119.6) v1(78,0.8) v1(78.09,69.15) v1(79.06,19.06) v1(79.57,22.11) v1(79.8,102) v1(80,95) v1(80,90) v1(80,85) v1(80,80) v1(80,70) v1(80.63,6.21) v1(81.09,14.99) v1(81.2,109.2) v1(82,149) v1(82.41,48) v1(82.41,46) v1(82.87,22.36) v1(83,0.8) v1(83.41,47) v1(84.41,48) v1(84.41,46.38) v1(85,122.4) v1(85,120.4) v1(85,109.2) v1(85.2,118.4) v1(85.41,47) v1(85.6,26.4) v1(86,122.2) v1(86,33) v1(86.4,119.6) v1(86.4,117.4) v1(86.4,102.6) v1(86.41,48) v1(86.41,46.38) v1(87,149) v1(87.41,47) v1(87.8,111.2) v1(88,0.8) v1(88.07,32.05) v1(88.2,68.84) v1(88.2,18.55) v1(88.41,48) v1(88.41,46.38) v1(88.46,71.64) v1(89.42,12.38) v1(89.8,103.6) v1(90,95) v1(90,90) v1(90,85) v1(90,7.4) v1(92,149) v1(93,0.8) v1(93.4,22) v1(93.54,70.11) v1(94.8,72.2) v1(95,97.8) v1(95,95) v1(95,90) v1(95.4,11) v1(96.2,21.4) v1(96.63,48) v1(96.63,46) v1(97,149) v1(97.09,39.02) v1(97.63,47) v1(98,0.8) v1(98.63,48) v1(98.63,46.38) v1(99.4,31.8) v1(99.63,47) v1(100.63,48) v1(100.63,46.38) v1(100.8,22.6) v1(101.16,42.68) v1(101.2,16.4) v1(101.63,47) v1(102,149) v1(102.63,48) v1(102.63,46.38) v1(103,0.8) v1(104.1,31.4) v1(104.21,10.6) v1(104.46,7.63) v1(106.14,4.68) v1(106.6,81.4) v1(107,149) v1(107.2,42.63) v1(107.8,105) v1(108,0.8) v1(108.2,126.2) v1(108.23,124.4) v1(108.8,99.4) v1(109.96,16.56) v1(110.15,44.25) v1(111.3,98.3) v1(111.41,73.2) v1(111.6,139.6) v1(111.8,123.4) v1(111.8,70.2) v1(112,149) v1(112,4) v1(112.2,7) v1(112.53,10.35) v1(113,135) v1(113,0.8) v1(113.2,94.2) v1(114,20.8) v1(114.2,106.6) v1(114.4,71.6) v1(114.58,66.39) v1(115.8,142.4) v1(115.8,73) v1(116.48,68.32) v1(117,149) v1(117.4,120.6) v1(118,0.8) v1(118.4,101.2) v1(119.2,16.4) v1(119.7,86.3) v1(119.74,82.8) v1(122,149) v1(122.6,10.6) v1(122.8,110.6) v1(123,0.8) v1(123.2,103.6) v1(123.6,120.6) v1(123.8,136.8) v1(124.6,92.45) v1(126.2,131.6) v1(126.4,127.8) v1(127,149) v1(127.2,116.2) v1(127.2,61.4) v1(128,0.8) v1(128.6,3.2) v1(129.2,21.4) v1(129.2,11) v1(129.4,16.4) v1(129.8,108.6) v1(130.2,66.6) v1(131.2,112.4) v1(131.8,116.2) v1(132,149) v1(133,0.8) v1(133.06,10.78) v1(133.6,8.29) v1(134.2,165.2) v1(134.2,160.6) v1(134.2,155.6) v1(134.2,150.6) v1(134.8,142) v1(135,65.2) v1(135.6,144.6) v1(136,169) v1(137.8,110.2) v1(138,0.8) v1(139.8,23.8) v1(140.27,94.5) v1(141,169) v1(142.2,144.6) v1(143,152.6) v1(143,0.8) v1(146,169) v1(146.8,128.2) v1(147.6,28) v1(147.6,22.4) v1(147.8,51.8) v1(147.8,37.4) v1(148,0.8) v1(150,23.6) v1(151,169) v1(151.8,53) v1(153,0.8) v1(155,155.4) v1(155.4,131.6) v1(155.84,91.59) v1(156,169) v1(156,126.5) v1(156,70) v1(156,62) v1(156,57) v1(156,52) v1(156,47) v1(156,42) v1(156,37) v1(156,32) v1(156,27) v1(156,22) v1(156,12) v1(156.5,122.5) v1(157.4,145) v1(158,0.8) v1(158.94,95.86) v1(159,143.8) v1(161,169) v1(161,121.5) v1(161,70) v1(161,12) v1(163,0.8) v1(164,125) v1(166,169) v1(166,70) v1(166,12) v1(166.6,97.8) v1(166.8,159.4) v1(167.4,149) v1(168,0.8) v1(168.6,127.6) v1(169.8,89.2) v1(171,169) v1(171,70) v1(173,0.8) v1(174.2,86.6) v1(175.8,123.6) v1(176,169) v1(176,137) v1(176,70) v1(179,166.4) v1(179,155) v1(179,150) v1(179,145) v1(179,140) v1(179,135) v1(179,130) v1(179,125) v1(179,120) v1(179,115) v1(179,110) v1(179,95) v1(179,90) v1(179,85) v1(179,80) v1(179,75) v1(179,70)
